# Altium PCB CNC_controller.PcbDoc (part 1 of 2)
Units mil, origin at the board's own origin, x right, y up, seen from the top; angles counter-clockwise.
Board outline 3937.01 x 3425.2 mil, 2 copper layers (Top Layer, Bottom Layer); 117 components, 108 nets, 430 pads, 175 vias.
Unrouted connection lines stored in the file: 30.
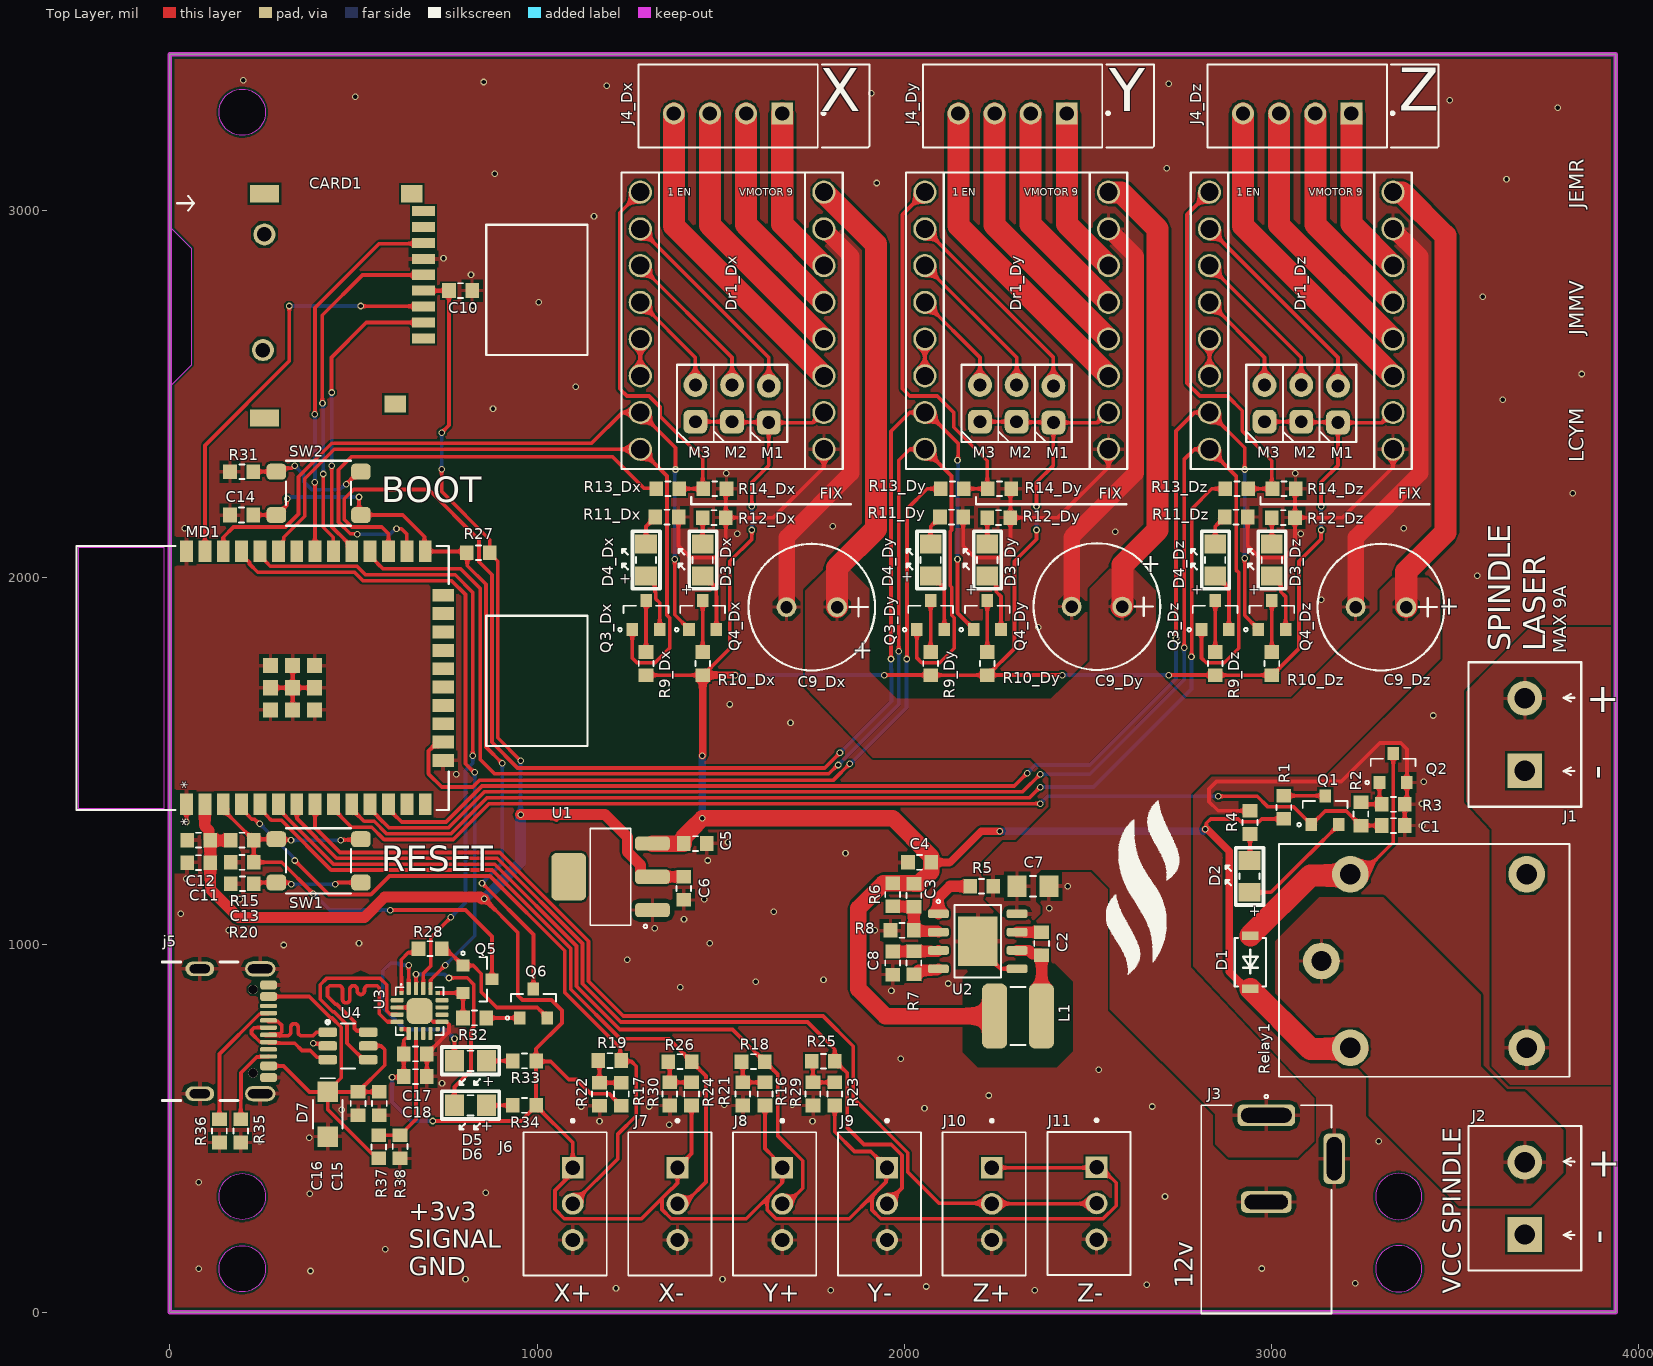
[diagram p0: Top Layer view]
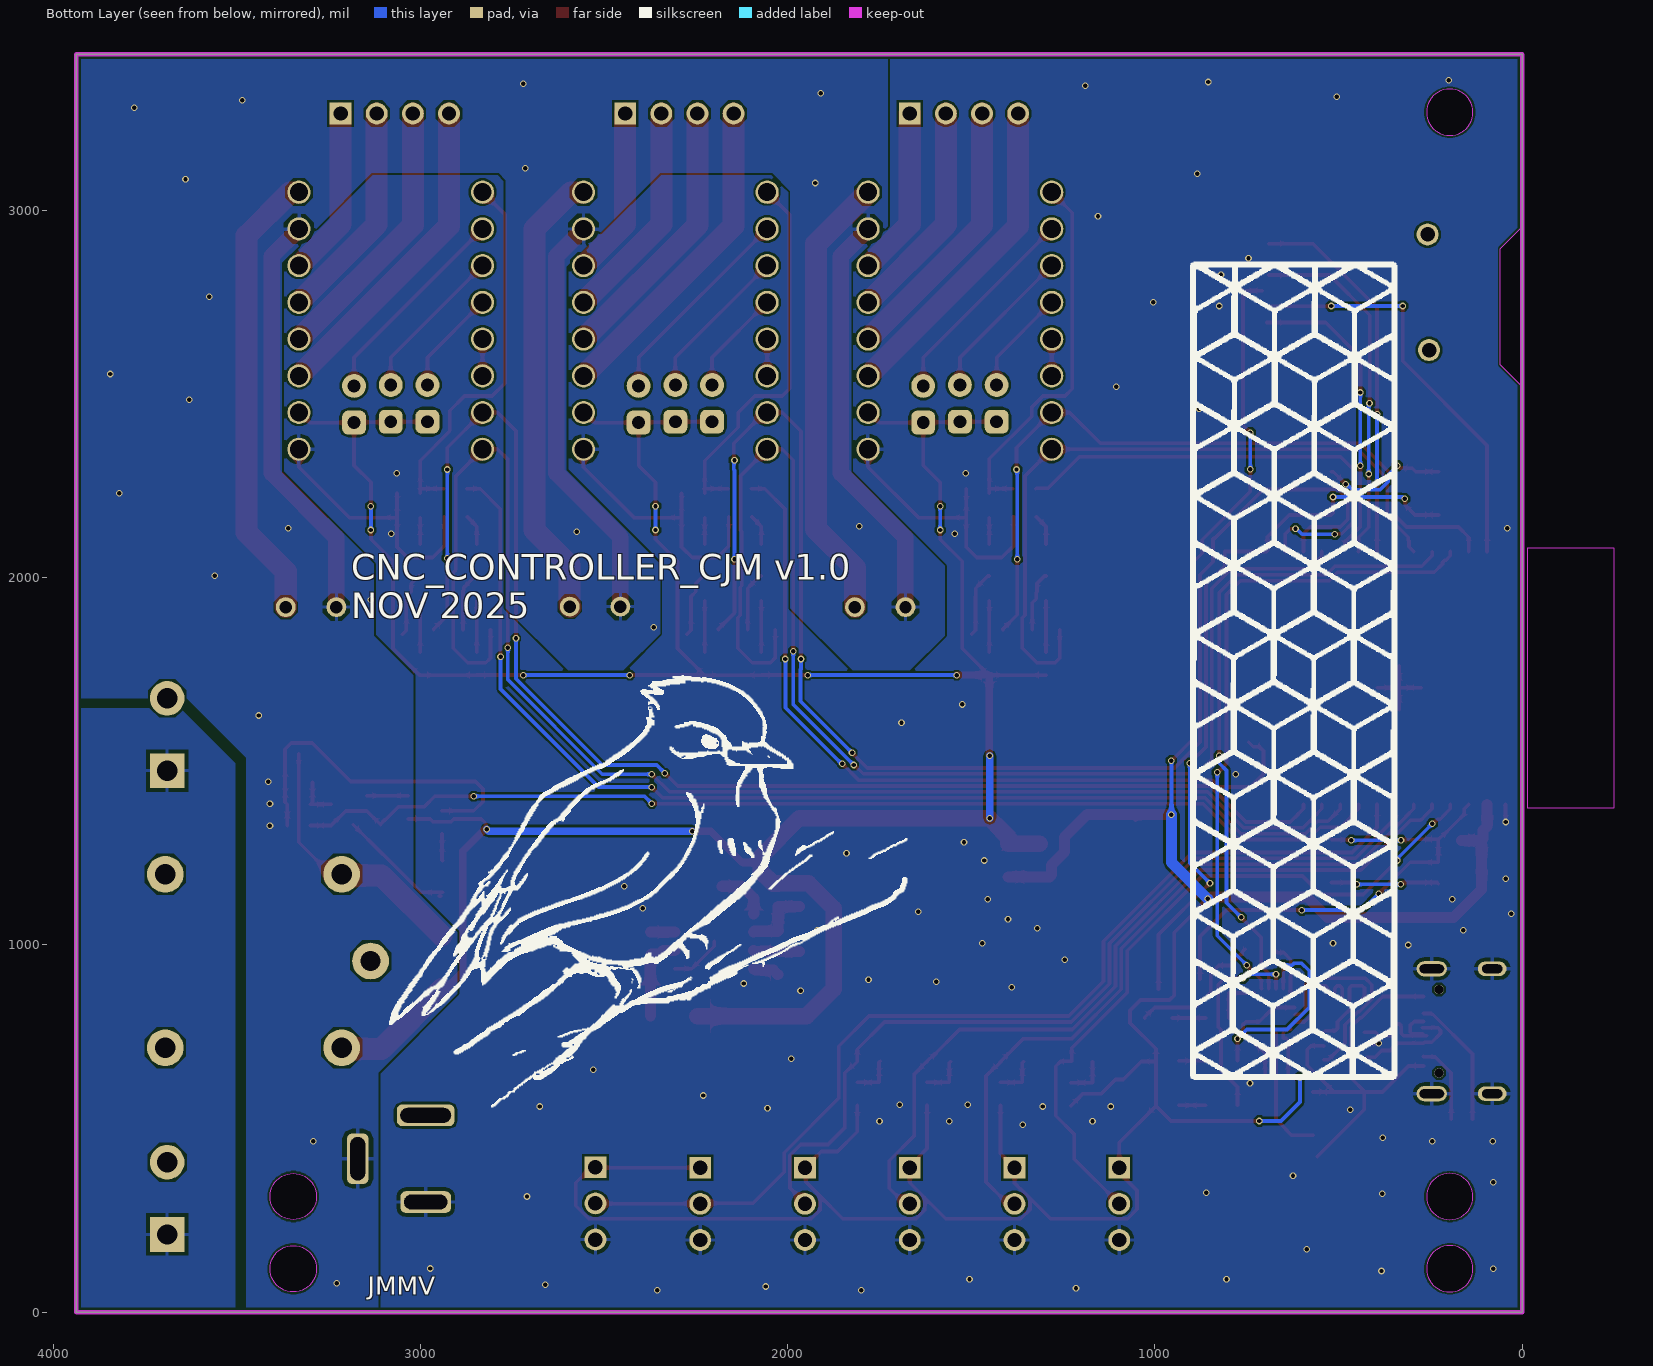
[diagram p1: Bottom Layer view, seen from below]

## Layer stack, top to bottom
Top Solder: solder mask 0.4, Solder Resist, Dk 3.5
Top Layer: signal copper 1.4
Dielectric 1: dielectric 12.6, FR-4, Dk 4.8
Bottom Layer: signal copper 1.4
Bottom Solder: solder mask 0.4, Solder Resist, Dk 3.5

## Board outline
0,0 0,3425.2 3937.01,3425.2 3937.01,0
cut-out: 196.85,55.08 cw(c196.85,118.07) 133.86,118.07 cw(c196.85,118.07) 196.85,181.06 cw(c196.85,118.07) 259.84,118.07 cw(c196.85,118.07)
cut-out: 3283.47,314.96 ccw(c3346.46,314.96) 3346.46,251.97 ccw(c3346.46,314.96) 3409.45,314.96 ccw(c3346.46,314.96) 3346.46,377.95 ccw(c3346.46,314.96)
cut-out: 3283.46,118.07 ccw(c3346.46,118.07) 3346.46,55.08 ccw(c3346.46,118.07) 3409.45,118.07 ccw(c3346.46,118.07) 3346.46,181.06 ccw(c3346.46,118.07)
cut-out: 196.85,3204.69 cw(c196.85,3267.68) 133.86,3267.68 cw(c196.85,3267.68) 196.85,3330.67 cw(c196.85,3267.68) 259.84,3267.68 cw(c196.85,3267.68)
cut-out: 196.85,251.93 cw(c196.85,314.92) 133.86,314.92 cw(c196.85,314.92) 196.85,377.91 cw(c196.85,314.92) 259.84,314.92 cw(c196.85,314.92)
cut-out: 0,2524.04 4.04,2524.04 60,2580 60,2896.39 0,2956.39

## Design rules (kind name [scope] priority, off if disabled: settings)
Clearance [All] p1: gap=6 ignorepadtopadclearanceinfootprint=FALSE except(12: Via-Via; 14: THPad-Via)
Creepage Creepage_AC [InNet('LINEA')] p1: checkdistance=10 applytopolygonpour=TRUE
DiffPairsRouting [All] p1: maxlimit=10 minlimit=10 mostfreqgap=10 toplayer_minwidth=10 toplayer_maxwidth=15 toplayer_prefwidth=15 bottomlayer_minwidth=10 bottomlayer_maxwidth=15 bottomlayer_prefwidth=15 maxuncoupledlength=500
HoleSize [All] p1: absolutevalues=TRUE maxlimit=300 minlimit=12 maxpercent=80.000 minpercent=20.000
MinimumSolderMaskSliver [All] p1: minsoldermaskwidth=4
PolygonConnect PolygonConnect_via [IsVia] p1: connectstyle=Direct reliefconductorwidth=10 reliefentries=4 polygonreliefangle="90 Angle" airgapwidth=10
PolygonConnect [All] p2: connectstyle=Relief reliefconductorwidth=10 reliefentries=4 polygonreliefangle="90 Angle" airgapwidth=10
RoutingVias [All] p1: holewidth=12 width=18 viastyle="Through Hole" minholewidth=12 minwidth=18 maxholewidth=50 maxwidth=100
SilkToSilkClearance [All] p1: silktosilkclearance=1
SilkToSolderMaskClearance [IsPad] p1: minsilkscreentomaskgap=1 clearancetoexposedcopper=TRUE
SolderMaskExpansion [All] p1: expansion=4 istentingtop=FALSE
SupplyNets "Schematic Supply Nets_5" [InNet('VMOTOR_Dx')] p1: voltage=0.000
SupplyNets "Schematic Supply Nets_3" [InNet('GND_Spindle')] p2: voltage=0.000
SupplyNets "Schematic Supply Nets_1" [InNet('Vspindle')] p3: voltage=0.000
SupplyNets "Schematic Supply Nets_2" [InNet('VBUS')] p4: voltage=0.000
SupplyNets "Schematic Supply Nets_9" [InNet('+5')] p5: voltage=0.000
SupplyNets "Schematic Supply Nets_8" [InNet('3V3')] p6: voltage=0.000
SupplyNets "Schematic Supply Nets" [InNet('GND')] p7: voltage=0.000
Width Width_3V3 [InNetClass('3V3_POWER')] p1: maxlimit=60 minlimit=10 preferedwidth=60
Width [All] p2: maxlimit=60 minlimit=6 preferedwidth=6
25 further rules are at their usual default settings.

## Classes and differential pairs
component class Dz: C9_Dz C?_Dz D3_Dz D4_Dz D?_Dz Dr1_Dz J4_Dz J?_Dz Q3_Dz Q4_Dz Q?_Dz R9_Dz R10_Dz R11_Dz R12_Dz R13_Dz R14_Dz R?_Dz
component class Dy: C9_Dy C?_Dy D3_Dy D4_Dy D?_Dy Dr1_Dy J4_Dy J?_Dy Q3_Dy Q4_Dy Q?_Dy R9_Dy R10_Dy R11_Dy R12_Dy R13_Dy R14_Dy R?_Dy
component class POWER: C2 C3 C4 C5 C6 C7 C8 C? J3 J? L1 L? R5 R6 R7 R8 R? U1 U2 U?
component class MCU: ? C11 C12 C13 C14 C15 C16 C17 C18 C? D5 D6 D7 D? j5 j? MD1 MD? Q5 Q6 Q? R15 R16 R17 R18 R19 R20 R21 R22 R23 R24 R25 R26 R27 R28 R29 R30 R31 R32 R33 R34 R35 R36 R37 R38 R? SW1 SW2 SW? U3 U4 U?
channel class Driver: Dx Dy Dz
component class Spindle: ? C1 C? D1 D2 D14 D? J1 J2 J? Q1 Q2 Q? R1 R2 R3 R4 R? Relay1
component class MicroSD: C10 C? CARD1 CARD?
component class Dx: 18_DriverX 19_DriverX 20_DriverX C9_Dx C?_Dx D3_Dx D4_Dx D?_Dx Dr1_Dx J4_Dx J?_Dx Q3_Dx Q4_Dx Q?_Dx R9_Dx R10_Dx R11_Dx R12_Dx R13_Dx R14_Dx R?_Dx
component class Sensors: J6 J7 J8 J9 J10 J11 J?
differential pair D: +D_P -D_N
differential pair C_D: +C_D_P -C_D_N

## Components (designator, comment, footprint, x,y, rotation, side; value= is the part's Value field where it differs from the comment)
C1 "CAP CER 100nF 50V X7R 0603" 0603_cap 3331.5,1325.14 r0 top value=100nF
C2 "CAP CER 100nF 50V X7R 0603" 0603_cap 2373.83,1003.5 r90 top value=100nF
C3 "Cap_5.1pF" 0603_cap 2026.17,1135.71 r270 top value=5.1pF
C4 "22uF 10V" 0603_cap 2041.5,1225 r180 top value=22uF
C5 "10uF 10V" 0603_cap 1430.92,1276.29 r0 top value=10uF
C6 "22uF 10V" 0603_cap 1399.42,1154.24 r270 top value=22uF
C7 "10uF 25V" 0805_cap 2350.59,1159.89 r0 top value=10uF
C8 "470nF 50V" 0603_cap 1968.17,950.81 r270 top value=470nF
C9_Dx "Cap_100uF_Electr_TH_50V" CAP_TH 1747,1920 r180 top value=100uF (schematic designator C9)
C9_Dy "Cap_100uF_Electr_TH_50V" CAP_TH 2523.43,1921.43 r180 top value=100uF (schematic designator C9)
C9_Dz "Cap_100uF_Electr_TH_50V" CAP_TH 3297,1920 r180 top value=100uF (schematic designator C9)
C10 "CAP CER 100nF 50V X7R 0603" 0603_cap 791.55,2782.1 r0 top value=100nF
C11 "CAP CER 100nF 50V X7R 0603" 0603_cap 78.73,1224.15 r180 top value=100nF
C12 "10uF 10V" 0603_cap 78.73,1285.44 r180 top value=10uF
C13 "CAP CER 100nF 50V X7R 0603" 0603_cap 196.73,1225.04 r180 top value=100nF
C14 "CAP CER 100nF 50V X7R 0603" 0603_cap 195.27,2170.95 r180 top value=100nF
C15 "10uF 10V" 0603_cap 570.37,568.26 r270 top value=10uF
C16 "CAP CER 100nF 50V X7R 0603" 0603_cap 512.37,568.26 r270 top value=100nF
C17 "10uF 10V" 0603_cap 668.39,703.26 r0 top value=10uF
C18 "CAP CER 100nF 50V X7R 0603" 0603_cap 668.39,641.76 r0 top value=100nF
CARD1 "SMD" SD_CARD_PUSH_PCB 698.43,2998.35 r270 top locked
D1 "DIODE STANDARD 50V 1A SOD-123F" SOD-123FL_MCC 2942.37,952.97 r270 top
D2 "2.3V" 0805_LED 2940,1186.69 r90 top
D3_Dx "2V" 0805_LED 1451,2048.31 r90 top (schematic designator D3)
D3_Dy "2V" 0805_LED 2226,2048.31 r90 top (schematic designator D3)
D3_Dz "2V" 0805_LED 3001,2048.31 r90 top (schematic designator D3)
D4_Dx "2.3V" 0805_LED 1296.7,2048.31 r90 top (schematic designator D4)
D4_Dy "2.3V" 0805_LED 2071.7,2048.31 r90 top (schematic designator D4)
D4_Dz "2.3V" 0805_LED 2846.7,2048.31 r90 top (schematic designator D4)
D5 "2V" 0805_LED 818.71,684.26 r180 top
D6 "2.9V" 0805_LED 818.71,563.26 r180 top
D7 "TVS 12V" SOD_123FL 430,538.98 r270 top
Dr1_Dx "A4988 Driver Module" "A4988 Module" 1531.02,2700 r0 top (schematic designator Dr1)
Dr1_Dy "A4988 Driver Module" "A4988 Module" 2306.02,2700 r0 top (schematic designator Dr1)
Dr1_Dz "A4988 Driver Module" "A4988 Module" 3081.02,2700 r0 top (schematic designator Dr1)
J1 "Connector 2pos" CON_2x1_TH_5MM 3690,1573.16 r90 top
J2 "Connector 2pos" CON_2x1_TH_5MM 3690,310 r90 top
J3 "PWR JACK 2.1mm" CON_POWER_BARREL_2.1MM_3CONN 2985.84,417.97 r0 top
J4_Dx "CONN HEADER TH 4POS 2.5mm" JST_B4B-XH-A 1520,3285 r0 top (schematic designator J4)
J4_Dy "CONN HEADER TH 4POS 2.5mm" JST_B4B-XH-A 2295,3285 r0 top (schematic designator J4)
J4_Dz "CONN HEADER TH 4POS 2.5mm" JST_B4B-XH-A 3070,3285 r0 top (schematic designator J4)
j5 "USB C" CON_USB_C_16P_RA 175,765 r270 top locked
J6 "CONN HEADER TH 3POS 2.5mm" JST_B3B-XH-A 1076.34,295.01 r90 top
J7 "CONN HEADER TH 3POS 2.5mm" JST_B3B-XH-A 1361.65,295.01 r90 top
J8 "CONN HEADER TH 3POS 2.5mm" JST_B3B-XH-A 1646.97,295.01 r90 top
J9 "CONN HEADER TH 3POS 2.5mm" JST_B3B-XH-A 1932.28,295.01 r90 top
J10 "CONN HEADER TH 3POS 2.5mm" JST_B3B-XH-A 2217.6,295.01 r90 top
J11 "CONN HEADER TH 3POS 2.5mm" JST_B3B-XH-A 2502.91,296.19 r90 top
L1 "FIXED IND 3.3uH 2.6A 0.052Ω SMD,4x4mm" Inductor_3_3uH 2309.85,806.49 r180 top value=3.3uH
MD1 "ESP32-WROOM-32D" MOD_ESP32-WROOM-32_EXP 252.47,1727.27 r90 top locked
Q1 "N CH" SOT_23_3 3145.98,1364.93 r90 top
Q2 "N CH" SOT_23_3 3331.5,1479.76 r90 top
Q3_Dx "N CH" SOT_23_3 1296.7,1896.19 r90 top (schematic designator Q3)
Q3_Dy "N CH" SOT_23_3 2071.7,1896.19 r90 top (schematic designator Q3)
Q3_Dz "N CH" SOT_23_3 2846.7,1896.19 r90 top (schematic designator Q3)
Q4_Dx "N CH" SOT_23_3 1451,1896.19 r90 top (schematic designator Q4)
Q4_Dy "N CH" SOT_23_3 2226,1896.19 r90 top (schematic designator Q4)
Q4_Dz "N CH" SOT_23_3 3001,1896.19 r90 top (schematic designator Q4)
Q5 "TRANS NPN 40V 200mA SOT-23" SOT_23_3 835.63,906.61 r0 top
Q6 "TRANS NPN 40V 200mA SOT-23" SOT_23_3 990.07,838.54 r90 top
R1 "0R 1/10W" 0603_res#1 3033.69,1374.77 r270 top value=0R
R2 "330R 1/10W" 0603_res#1 3243.5,1356.64 r90 top value=330R
R3 "191k 1/10W" 0603_res#1 3331.5,1383 r0 top value=191k
R4 "1k 1/10W" 0603_res#1 2941.45,1333.69 r270 top value=1k
R5 "10k 1/10W" 0603_res#1 2210.94,1159.89 r180 top value=10k
R6 "365k 1/10W" 0603_res#1 1968.17,1136.7 r90 top value=365k
R7 "Res 105k" 0603_res#1 2026.17,951.66 r270 top value=105k
R8 "49k9 1/10W" 0603_res#1 1993.81,1039.66 r0 top value=49k9
R9_Dx "0R 1/10W" 0603_res#1 1296.7,1766.45 r270 top value=0R (schematic designator R9)
R9_Dy "0R 1/10W" 0603_res#1 2071.7,1766.45 r270 top value=0R (schematic designator R9)
R9_Dz "0R 1/10W" 0603_res#1 2846.7,1766.45 r270 top value=0R (schematic designator R9)
R10_Dx "0R 1/10W" 0603_res#1 1451,1766.45 r270 top value=0R (schematic designator R10)
R10_Dy "0R 1/10W" 0603_res#1 2226,1766.45 r270 top value=0R (schematic designator R10)
R10_Dz "0R 1/10W" 0603_res#1 3001,1766.45 r270 top value=0R (schematic designator R10)
R11_Dx "191R 1/10W" 0603_res#1 1353.8,2165.31 r180 top value=191R (schematic designator R11)
R11_Dy "191R 1/10W" 0603_res#1 2128.8,2165.31 r180 top value=191R (schematic designator R11)
R11_Dz "191R 1/10W" 0603_res#1 2903.8,2165.31 r180 top value=191R (schematic designator R11)
R12_Dx "191R 1/10W" 0603_res#1 1482.5,2163.81 r180 top value=191R (schematic designator R12)
R12_Dy "191R 1/10W" 0603_res#1 2257.5,2163.81 r180 top value=191R (schematic designator R12)
R12_Dz "191R 1/10W" 0603_res#1 3032.5,2163.81 r180 top value=191R (schematic designator R12)
R13_Dx "0R 1/10W" 0603_res#2 1355.6,2242.33 r0 top value=0R (schematic designator R13)
R13_Dy "0R 1/10W" 0603_res#1 2130.6,2242.33 r0 top value=0R (schematic designator R13)
R13_Dz "0R 1/10W" 0603_res#1 2905.6,2242.33 r0 top value=0R (schematic designator R13)
R14_Dx "0R 1/10W" 0603_res#2 1484.3,2242.33 r180 top value=0R (schematic designator R14)
R14_Dy "0R 1/10W" 0603_res#1 2259.3,2242.33 r180 top value=0R (schematic designator R14)
R14_Dz "0R 1/10W" 0603_res#1 3034.3,2242.33 r180 top value=0R (schematic designator R14)
R15 "10k 1/10W" 0603_res#1 196.73,1285.44 r180 top value=10k
R16 "0R 1/10W" 0603_res#1 1620.85,594.26 r90 top value=0R
R17 "0R 1/10W" 0603_res#1 1229.43,593.26 r90 top value=0R
R18 "10k 1/10W" 0603_res#1 1588.19,682.26 r0 top value=10k
R19 "10k 1/10W" 0603_res#1 1197.93,685.26 r0 top value=10k
R20 "1k 1/10W" 0603_res#1 196.73,1166.91 r0 top value=1k
R21 "0R 1/10W" 0603_res#1 1560.19,594.26 r90 top value=0R
R22 "0R 1/10W" 0603_res#1 1169.93,593.26 r90 top value=0R
R23 "0R 1/10W" 0603_res#1 1810.67,594.26 r90 top value=0R
R24 "0R 1/10W" 0603_res#1 1420.67,594.26 r90 top value=0R
R25 "10k 1/10W" 0603_res#1 1779.17,683.19 r0 top value=10k
R26 "10k 1/10W" 0603_res#1 1389.17,682.26 r0 top value=10k
R27 "10k 1/10W" 0603_res#1 839.78,2068 r0 top value=10k
R28 "10k 1/10W" 0603_res#1 708.5,990 r180 top value=10k
R29 "0R 1/10W" 0603_res#1 1751.17,594.26 r90 top value=0R
R30 "0R 1/10W" 0603_res#1 1361.17,594.26 r90 top value=0R
R31 "1k 1/10W" 0603_res#1 195.27,2288.75 r0 top value=1k
R32 "10k 1/10W" 0603_res#1 829.73,801.14 r180 top value=10k
R33 "100R 1/10W" 0603_res#1 965.71,684.26 r180 top value=100R
R34 "RES 30Ω ±5% 100mW 0603" 0603_res#1 965.71,563.26 r0 top value=30
R35 "RES 5.1kΩ ±1% 100mW 0603" 0603_res#1 193,493.5 r90 top value=5K1
R36 "RES 5.1kΩ ±1% 100mW 0603" 0603_res#1 135,493.5 r90 top value=5K1
R37 "191R 1/10W" 0603_res#1 568.82,450.26 r270 top value=191R
R38 "330R 1/10W" 0603_res#1 626.82,450.26 r90 top value=330R
Relay1 "V_15A" Relay_5V_15A 3415.47,956.22 r0 top
SW1 "Sw" Sw_PUSH_4.5x4.5x5mm 405,1229.06 r180 top locked
SW2 "Sw" Sw_PUSH_4.5x4.5x5mm 405,2230 r0 top locked
U1 "AMS1117-3.3" SOT_223 1200,1185.74 r180 top
U2 "TPS56528DDAR" SOIC_8_3.9mm_EP 2200,1010 r0 top
U3 "CP2102N-A02-GQFN20R" WFQFN_20_EP_3X3MM 680,820 r0 top
U4 "USBLC6-2SC6" SOT_23_6 485,725 r0 top

## Footprints (in the part's own frame and the unit in brackets; to place one, negate y for a bottom-side part, rotate by r counter-clockwise, add the part's x,y. Pads: shape width x height; smd on the part's side, far side on the other; paste and mask are expansions set on the pad)
0603_cap [mil]
  rect 37x40 smd: 1(-31.5,0) 2(31.5,0)
  silkscreen extent -6,-20 8,20, body extent -31,-17 31,17, height 34
0603_res#1 [mil] "1608 Metric / 20190225 / C-A.Serna.A"
  rect 37x40 smd: 1(-31.5,0) 2(31.5,0)
  silkscreen extent -7,-20 8,20, body extent -31,-16 32,16, height 12
0603_res#2 [mil] "1608 Metric / 20190225 / C-A.Serna.A"
  rect 37x40 smd: 1(-31.5,0)
  rect 37x40 smd mask+2: 2(31.5,0)
  silkscreen extent -6,-20 8,20, body extent -31,-16 32,16, height 12
0805_cap [mm]
  rect 1.3x1.5 smd: 1(-1.1,0) 2(1.1,0)
  silkscreen extent -0.2,-0.7 0.2,0.7, body extent -1.13,-0.7 1.07,0.7, height 1
0805_LED [mm]
  rect 1.3x1.5 smd: 1(-1.1,0) 2(1.1,0)
  silkscreen extent -1.98,-0.97 1.98,1.65, body extent -1,-0.62 1,0.63, height 1.1
"A4988 Module" [mm]
  round 1.6 hole 1.25 mask+0.076: 1(-6.35,8.89) 2(-6.35,6.35) 3(-6.35,3.81) 4(-6.35,1.27) 5(-6.35,-1.27) 6(-6.35,-3.81) 7(-6.35,-6.35) 8(-6.35,-8.89) 9(6.35,8.89) 10(6.35,6.35) 11(6.35,3.81) 12(6.35,1.27) 13(6.35,-1.27) 14(6.35,-3.81) 15(6.35,-6.35) 16(6.35,-8.89)
  rrect50% 1.651x1.651 hole 0.889: 17(2.54,-7.048) 19(0,-6.985) 21(-2.54,-6.985)
  round 1.651 hole 0.889: 18(2.54,-4.508) 20(0,-4.445) 22(-2.54,-4.445)
  silkscreen extent -7.65,-10.25 7.65,10.25, body extent -7.75,-10.16 7.49,10.16, height 13.37
CAP_TH [mil]
  round 54 hole 34 paste-99999 mask+0: 1(-70,0) 2(67.8,0)
  silkscreen extent -174,-172 171,172, body extent -169,-167 167,167, height 513
CON_2x1_TH_5MM [mm]
  rect 2.4x2.4 hole 1.4: 1(-2.5,0)
  round 2.4 hole 1.4: 2(2.5,0)
  silkscreen extent -5,-3.9 5,3.9, body extent -5,-3.75 5,3.75, height 11.5
CON_POWER_BARREL_2.1MM_3CONN [mm]
  rrect50% 4x1.5 hole 1.016 slot 3.5 at 0 deg: 1(0,3)
  rrect50% 3.5x1.5 hole 1.016 slot 3 at 0 deg: 2(0,-3)
  rrect50% 1.5x3.5 hole 1.016 slot 3 at 90 deg: 3(4.7,0)
  silkscreen extent -4.5,-10.7 4.5,4.42, body extent -4.5,-10.7 4.9,3.7, height 11
CON_USB_C_16P_RA [mm]
  oval 1.05x2.1 hole 0.6 slot 1.7 at 90 deg: 0(-4.32,1.803) 0(4.32,1.803)
  oval 1x2 hole 0.6 slot 1.4 at 90 deg: 0(-4.32,-2.377) 0(4.32,-2.377)
  rrect50% 0.6x1.15 smd mask+0.046: A1/B12(-3.2,2.378) A4/B9(-2.4,2.378) B1/A12(3.2,2.378) B4/A9(2.4,2.378)
  rrect50% 0.3x1.15 smd mask+0.046: A5(-1.25,2.378) A6(-0.25,2.378) A7(0.25,2.378) A8(1.25,2.378) B5(1.75,2.378) B6(0.75,2.378) B7(-0.75,2.378) B8(-1.75,2.378)
  round 0.65 hole 0.65 unplated mask+0.046: ""(-2.89,1.303) ""(2.89,1.303)
  silkscreen extent -4.79,-4.98 4.79,0.27, body extent -4.79,-4.98 4.79,2.73, height 3.31
Inductor_3_3uH [mm]
  rrect50% 1.75x4.5 smd: 1(-1.625,0) 2(1.625,0)
  silkscreen extent -0.51,-2 0.51,2, body extent -2.18,-2 2.18,2, height 3.2
JST_B3B-XH-A [mm]
  rect 1.508x1.508 / inner round 1.508 / far side rect 1.508x1.508 hole 1: 1(2.5,-0.525)
  round 1.508 hole 1: 2(0,-0.525) 3(-2.5,-0.525)
  silkscreen extent -4.95,-2.88 5.85,2.88, body extent -4.95,-2.88 4.95,2.88, height 7
JST_B4B-XH-A [mm]
  rect 1.508x1.508 / inner round 1.508 / far side rect 1.508x1.508 hole 1: 1(3.75,-0.525)
  round 1.508 hole 1: 2(1.25,-0.525) 3(-1.25,-0.525) 4(-3.75,-0.525)
  silkscreen extent -6.2,-2.88 6.7,2.88, body extent -6.2,-2.88 6.2,2.88, height 7
MOD_ESP32-WROOM-32_EXP [mil]
  rect 59x35 smd paste+0 mask+0: 1(-344.49,207.09) 2(-344.49,157.09) 3(-344.49,107.09) 4(-344.49,57.09) 5(-344.49,7.09) 6(-344.49,-42.91) 7(-344.49,-92.91) 8(-344.49,-142.91) 9(-344.49,-192.91) 10(-344.49,-242.91) 11(-344.49,-292.91) 12(-344.49,-342.91) 13(-344.49,-392.91) 14(-344.49,-442.91) 25(344.49,-442.91) 26(344.49,-392.91) 27(344.49,-342.91) 28(344.49,-292.91) 29(344.49,-242.91) 30(344.49,-192.91) 31(344.49,-142.91) 32(344.49,-92.91) 33(344.49,-42.91) 34(344.49,7.09) 35(344.49,57.09) 36(344.49,107.09) 37(344.49,157.09) 38(344.49,207.09)
  rect 35x59 smd paste+0 mask+0: 15(-225,-492.13) 16(-175,-492.13) 17(-125,-492.13) 18(-75,-492.13) 19(-25,-492.13) 20(25,-492.13) 21(75,-492.13) 22(125,-492.13) 23(175,-492.13) 24(225,-492.13)
  rect 41x41 smd paste+0 mask+0: 39(-26.77,-81.89) 40(-86.81,-21.85) 41(-86.81,-81.89) 42(-86.81,-141.93) 43(-26.77,-141.93) 44(33.27,-141.93) 45(33.27,-81.89) 46(33.27,-21.85) 47(-26.77,-21.85)
  Keep-Out Layer region: 354.5,502 -354.5,502 -354.5,268 354.5,268
  silkscreen extent -360,-507 360,507, body extent -354,-502 354,502, height 128
Relay_5V_15A [mm]
  round 2.54 hole 1.397: 1(-7.1,0) 2(-5.1,-6) 3(7.1,-6) 4(7.1,6) 5(-5.1,6)
  silkscreen extent -10.04,-8.01 10.07,8.1, body extent -10.1,-8 9.9,8, height 15.02
SD_CARD_PUSH_PCB [mm]
  rect 0.7x1.6 smd: 1(8.8,-0.2) 2(7.7,-0.2) 3(6.6,-0.2) 4(5.5,-0.2) 5(4.4,-0.2) 6(3.3,-0.2) 7(2.2,-0.2) 8(1.1,-0.2)
  rect 0.7x1.6 smd mask+0.051: CD(0,-0.2)
  rect 1.2x1.5 smd mask+0.051: NC(-1.2,-1)
  rect 1.2x2 smd: NC(-1.2,-11.2) NC(14.31,-11.2)
  round 1.524 hole 1: NC(1.61,-11.2) NC(9.61,-11.303)
  rect 1.2x1.5 smd: NC(13.335,-2.143)
  body extent -1.5,-15.22 14.61,-0.02, height 2
SOD-123FL_MCC [mil]
  rect 23x45 smd: 1(-72.5,0) 2(72.5,0)
  silkscreen extent -66,-43 66,43, body extent -76,-37 76,37, height 75
SOD_123FL [mm]
  rect 1.4x1.4 smd: 1(-1.55,0) 2(1.55,0)
  silkscreen extent -2.49,-1.02 1,1.02, body extent -1.96,-1 1.96,1, height 1.09
SOIC_8_3.9mm_EP [mm]
  rrect50% 1.45x0.6 smd: 1(-2.725,1.905) 2(-2.725,0.635) 3(-2.725,-0.635) 4(-2.725,-1.905) 5(2.725,-1.905) 6(2.725,-0.635) 7(2.725,0.635) 8(2.725,1.905)
  rect 2.71x3.4 smd: 9(0,0)
  silkscreen extent -2.85,-2.5 1.6,2.88, body extent -3,-2.45 3,2.45, height 1.7
SOT_23_3 [mm]
  rect 0.9x0.8 smd: 1(-0.95,0.95) 2(-0.95,-0.95) 3(1.05,0)
  silkscreen extent -1.07,-1.55 0.7,1.92, body extent -1.21,-1.5 1.21,1.5, height 1.12
SOT_23_6 [mm]
  rrect50% 1.3x0.65 smd: 1(-1.4,0.95) 3(-1.4,-0.95) 4(1.4,-0.95) 6(1.4,0.95)
  rrect50% 1.3x0.65 smd mask+0.051: 2(-1.4,0) 5(1.4,0)
  silkscreen extent -1.52,-1.55 0.5,1.78, body extent -1.5,-1.45 1.3,1.45, height 1.45
SOT_223 [mm]
  rrect50% 2.4x1 smd: 1(-2.9,2.3) 2(-2.9,0) 3(-2.9,-2.3)
  rrect30% 2.4x3.3 smd: 4(2.9,0)
  silkscreen extent -2.54,-3.35 1.4,3.55, body extent -1.86,-3.35 1.86,3.35, height 1.8
Sw_PUSH_4.5x4.5x5mm [mm]
  rrect50% 1.35x1.1 smd: 1(-2.925,1.5) 1(2.925,1.5) 2(-2.925,-1.5) 2(2.925,-1.5)
  silkscreen extent -2.25,-2.25 2.25,2.25, body extent -2.25,-2.25 2.25,2.25, height 5
WFQFN_20_EP_3X3MM [mm]
  rrect50% 0.3x0.3 smd mask+0.046: 1(-1.25,1.25) 6(-1.25,-1.25) 11(1.25,-1.25)
  rrect50% 0.9x0.3 smd mask+0.046: 2(-1.55,0.75) 3(-1.55,0.25) 4(-1.55,-0.25) 5(-1.55,-0.75) 12(1.55,-0.75) 13(1.55,-0.25) 14(1.55,0.25) 15(1.55,0.75)
  rrect50% 0.3x0.9 smd mask+0.046: 7(-0.75,-1.55) 8(-0.25,-1.55) 9(0.25,-1.55) 10(0.75,-1.55) 17(0.75,1.55) 18(0.25,1.55) 19(-0.25,1.55) 20(-0.75,1.55)
  rect 0.3x0.3 smd mask+0.046: 16(1.25,1.25)
  rrect50% 1.8x1.8 smd mask+0.046: 21(0,0)
  silkscreen extent -1.65,-1.65 1.65,1.9, body extent -1.5,-1.5 1.5,1.5, height 0.8

## Part data
C1 C2 C10 C11 C13 C14 C16 C18: library part Cap_100nF_0603_50V, "50V 100nF X7R ±10% 0603 Ceramic Capacitors RoHS", Manufacturer=FOJAN, Manufacturer Part Number=FCC0603B104K500CT, Supplier Part Number 1=C5137636, ComponentLink1Description=LCSC, ComponentLink1URL=https://www.lcsc.com/product-detail/C5137636.html, Supplier 1=LCSC
C3: "50V 5.1pF NP0 0603 Ceramic Capacitors RoHS", Manufacturer=YAGEO, Manufacturer Part Number=CC0603CRNPO9BN5R1, Supplier Part Number 1=C519376, ComponentLink1Description=LCSC, ComponentLink1URL=https://www.lcsc.com/product-detail/C519376.html?s_z=n_5.1pF%2520capacitor, Supplier 1=LCSC
C4 C6: library part Cap_22uF_0603_10V, "10V 22uF X5R ±20% 0603 Multilayer Ceramic Capacitors MLCC - SMD/SMT ROHS", Manufacturer=HRE, Manufacturer Part Number=CGA0603X5R226M100JT, Supplier Part Number 1=C6119863, ComponentLink1Description=LCSC, ComponentLink1URL=https://lcsc.com/product-detail/Multilayer-Ceramic-Capacitors-MLCC-SMD-SMT_HRE-CGA0603X5R226M100JT_C6119863.html, Supplier 1=LCSC
C5 C12 C15 C17: library part Cap_10uF_0603_10V, "10V 10uF X5R ±10% 0603 Multilayer Ceramic Capacitors MLCC - SMD/SMT ROHS", Manufacturer=CCTC, Manufacturer Part Number=TCC0603X5R106K100CT, Supplier Part Number 1=C380314, ComponentLink1Description=LCSC, ComponentLink1URL=https://www.lcsc.com/product-detail/Multilayer-Ceramic-Capacitors-MLCC-SMD-SMT_CCTC-TCC0603X5R106K100CT_C380314.html, Supplier 1=LCSC
C7: library part Cap_10uF_0805_25V_, "25V 10uF X5R ±10% 0805 Multilayer Ceramic Capacitors MLCC - SMD/SMT ROHS", Manufacturer="Samsung Electro-Mechanics", Manufacturer Part Number=CL21A106KAYNNNE, Supplier Part Number 1=C15850, ComponentLink1Description=LCSC, ComponentLink1URL=https://lcsc.com/product-detail/Multilayer-Ceramic-Capacitors-MLCC-SMD-SMT_Samsung-Electro-Mechanics-CL21A106KAYNNNE_C15850.html, Supplier 1=LCSC
C8: library part Cap_470nF_0603_50V, "50V 470nF X7R ±10% 0603 Multilayer Ceramic Capacitors MLCC - SMD/SMT ROHS", Manufacturer=Chinocera, Manufacturer Part Number=HGC0603R7474K500NTHJ, Supplier Part Number 1=C33546006, ComponentLink1Description=LCSC, ComponentLink1URL=https://lcsc.com/product-detail/Multilayer-Ceramic-Capacitors-MLCC-SMD-SMT_Chinocera-HGC0603R7474K500NTHJ_C33546006.html, Supplier 1=LCSC
CARD1: library part SD_CARD_PUSH, "Push-Push 2mm Connector and Ejector MicroSD Card (TF Card) SMD PC Card Sockets RoHS", Manufacturer=Yuandi, Manufacturer Part Number=TF-01A, Supplier Part Number 1=C2889258, ComponentLink1Description=LCSC, ComponentLink1URL=https://www.lcsc.com/product-detail/C2889258.html?s_z=n_TF-01A_C2889258, Supplier 1=LCSC
D1: library part "Diode 1N4001W", "25A Independent 50V 1.1V@1A 1A SOD-123F Single Diodes RoHS", Manufacturer=YONGYUTAI, Manufacturer Part Number=1N4001W, Supplier Part Number 1=C2944152, ComponentLink1Description=LCSC, ComponentLink1URL=https://www.lcsc.com/product-detail/C2944152.html, Supplier 1=LCSC
D2 D4_Dx D4_Dy D4_Dz: library part LED_0805_Orange, "LED ORANGE WATER CLEAR 0805 SMD", Manufacturer=XINGLIGHT, Manufacturer Part Number=XL-2012UOC, Supplier Part Number 1=C965813, ComponentLink1Description=LCSC, ComponentLink1URL=https://www.lcsc.com/product-detail/C965813.html?s_z=n_XINGLIGHT%2520XL-2012, Supplier 1=LCSC
D3_Dx D3_Dy D3_Dz D5: library part LED_0805_RED, "LED RED CLEAR 0805 SMD", Manufacturer=XINGLIGHT, Manufacturer Part Number=XL-2012SURC, Supplier Part Number 1=C965812, ComponentLink1Description=LCSC, ComponentLink1URL=https://www.lcsc.com/product-detail/Light-Emitting-Diodes-LED_XINGLIGHT-XL-2012SURC_C965812.html, Supplier 1=LCSC
D6: library part LED_0805_Green, "LED GREEN CLEAR 0805 SMD", Manufacturer=XINGLIGHT, Manufacturer Part Number=XL-2012UGC, Supplier Part Number 1=C965815, ComponentLink1Description=LCSC, ComponentLink1URL=https://www.lcsc.com/product-detail/Light-Emitting-Diodes-LED_XINGLIGHT-XL-2012UGC_C965815.html, Supplier 1=LCSC
D7: library part TVS_5V_1CH_BID_SOD_123FL, "21.7A 200W@10/1000us 9.2V 7V Bidirectional 5V SOD-123FL ESD and Surge Protection (TVS/ESD) ROHS", Manufacturer=TDSEMIC, Manufacturer Part Number=SMF5.0CA, Supplier Part Number 1=C46956338, ComponentLink1Description=LCSC, ComponentLink1URL=https://lcsc.com/product-detail/ESD-and-Surge-Protection-TVS-ESD_TDSEMIC-SMF5-0CA_C46956338.html, Supplier 1=LCSC
J1 J2: library part Con_2x1_TH_5mm, "2POS 5MM", Manufacturer=JILN, Manufacturer Part Number=JL126-50002G01, Supplier Part Number 1=C394556, ComponentLink1Description=Digi-Key, ComponentLink1URL=https://www.lcsc.com/product-detail/Screw-terminal_JILN-JL126-50002G01_C394556.html, Supplier 1=LCSC
J3: library part Con_Power_Jack_2.1mm_3pins, "CONN PWR JACK 2X5.5MM SOLDER", Manufacturer=HCTL, Manufacturer Part Number=HC-DC-005-2.0T, Supplier Part Number 1=C3010533, ComponentLink1Description=LCSC, ComponentLink1URL=https://www.lcsc.com/product-detail/AC-DC-Power-Connectors_HCTL-HC-DC-005-2-0T_C3010533.html, Supplier 1=LCSC
J4_Dx J4_Dy J4_Dz: library part "Connector JST 4pin", "4P XH 1x4P Tin -25℃~+85℃ White 2.5mm 250V 4 3A 1 Through Hole Through Hole,P=2.5mm Headers, Male Pins RoHS", Manufacturer=JST, Manufacturer Part Number=B4B-XH-A(LF)(SN), Supplier Part Number 1=C144395, ComponentLink1Description=LCSC, ComponentLink1URL=https://www.lcsc.com/product-detail/C144395.html?s_z=n_JST%2520b4b, Supplier 1=LCSC
j5: library part CON_USB_TYPEC_16P, "3A USB 3.1 1 Surface Mount 16P Female -40℃~+85℃ Type-C SMD USB Connectors ROHS", Manufacturer="SHOU HAN", Manufacturer Part Number=TYPE-C-3.1-16PIN, Supplier Part Number 1=C7507405, ComponentLink1Description=LCSC, ComponentLink1URL=https://lcsc.com/product-detail/USB-Connectors_SHOU-HAN-TYPE-C-3-1-16PIN_C7507405.html, Supplier 1=LCSC
J6 J7 J8 J9 J10 J11: library part "Connector JST 3pin", "3P 1x3P XH Tin -25℃~+85℃ White 2.5mm 250V 3 3A 1 Through Hole Through Hole,P=2.5mm Headers, Male Pins RoHS", Manufacturer=JST, Manufacturer Part Number=B3B-XH-A(LF)(SN), Supplier Part Number 1=C144394, ComponentLink1Description=LCSC, ComponentLink1URL=https://www.lcsc.com/product-detail/C144394.html?s_z=n_JST%2520b3, Supplier 1=LCSC
L1: library part Inductor_3.3uH, "2.6A 3.3uH Magnetic Shielded Inductor ±20% 3.6A 52mΩ SMD,4x4mm Fixed Inductors RoHS", Manufacturer=cjiang, Manufacturer Part Number=FNR4030S3R3MT, Supplier Part Number 1=C167870, ComponentLink1Description=LCSC, ComponentLink1URL=https://www.lcsc.com/product-detail/C167870.html?s_z=n_3.3uH%2520inductor, Supplier 1=LCSC
MD1: library part CMP-194065-000003-1, "WIFI MODULE 32MBITS SPI FLASH", Manufacturer=ESPRESSIF, Manufacturer Part Number=ESP32-WROOM-32-N4, Supplier Part Number 1=C82899, ComponentLink2Description=Datasheet, ComponentLink2URL=https://www.espressif.com/sites/default/files/documentation/esp32-wroom-32d_esp32-wroom-32u_datasheet_en.pdf, ComponentLink3Description=LCSC, ComponentLink3URL=https://www.lcsc.com/product-detail/C82899.html?s_z=n_ESP32%2520WROOM%2520N4, Supplier 1=LCSC
Q1 Q3_Dx Q3_Dy Q3_Dz Q4_Dx Q4_Dy Q4_Dz: library part Q_NFET_50V_200mA_SOT23, "MOSFET N-CH 50V 200mA SOT-23", Manufacturer=onsemi, Manufacturer Part Number=BSS138LT1G, Supplier Part Number 1=C82045, ComponentLink1Description=LCSC, ComponentLink1URL=https://www.lcsc.com/product-detail/C82045.html, Supplier 1=LCSC
Q2: library part Q_NFET_20V_3.2A_SOT23, "MOSFET N-CH 20V SOT23", Manufacturer=Doeshare, Manufacturer Part Number=DN2302S, Supplier Part Number 1=C2931750, ComponentLink1Description=LCSC, ComponentLink1URL=https://www.lcsc.com/product-detail/MOSFETs_Doeshare-DN2302S_C2931750.html, Supplier 1=LCSC
Q5 Q6: library part BJT_N_MMBT3904-7-F, "40V 310mW 200mA NPN SOT-23 Single Bipolar Transistors RoHS", Manufacturer=DIODES, Manufacturer Part Number=MMBT3904-7-F, Supplier Part Number 1=C94514, ComponentLink1Description=LCSC, ComponentLink1URL=https://www.lcsc.com/product-detail/C94514.html?s_z=n_MMBT3904-7-F, Supplier 1=LCSC
R1 R9_Dx R9_Dy R9_Dz R10_Dx R10_Dy R10_Dz R13_Dx R13_Dy R13_Dz R14_Dx R14_Dy R14_Dz R16 R17 R21 R22 R23 R24 R29 R30: library part Res_0R_0603_1/10W, "RES SMD 0R OHM 5% 1/10W 0603", Manufacturer=FOJAN, Manufacturer Part Number="FRC0603P000 TS", Supplier Part Number 1=C2907080, ComponentLink1Description=LCSC, ComponentLink1URL=https://www.lcsc.com/product-detail/Chip-Resistor-Surface-Mount_FOJAN-FRC0603P000-TS_C2907080.html, Supplier 1=LCSC
R2 R38: library part Res_330R_0603_1/10W, "RES SMD 330R OHM 5% 1/10W 0603", Manufacturer=FOJAN, Manufacturer Part Number="FRC0603J331 TS", Supplier Part Number 1=C2907152, ComponentLink1Description=LCSC, ComponentLink1URL=https://www.lcsc.com/product-detail/Chip-Resistor-Surface-Mount_FOJAN-FRC0603J331-TS_C2907152.html, Supplier 1=LCSC
R3: library part Res_191k_0603_1/10W, "100mW Thick Film Resistor 75V ±100ppm/℃ ±1% 191kΩ 0603 Chip Resistor - Surface Mount ROHS", Manufacturer=YAGEO, Manufacturer Part Number=AC0603FR-07191KL, Supplier Part Number 1=C227635, ComponentLink1Description=LCSC, ComponentLink1URL=https://lcsc.com/product-detail/Chip-Resistor-Surface-Mount_YAGEO-AC0603FR-07191KL_C227635.html, Supplier 1=LCSC
R4 R20 R31: library part Res_1k_0603_1/10W, "RES SMD 1k OHM 5% 1/10W 0603", Manufacturer=FOJAN, Manufacturer Part Number="FRC0603J102 TS", Supplier Part Number 1=C2907113, ComponentLink1Description=LCSC, ComponentLink1URL=https://www.lcsc.com/product-detail/Chip-Resistor-Surface-Mount_FOJAN-FRC0603J102-TS_C2907113.html, Supplier 1=LCSC
R5 R15 R18 R19 R25 R26 R27 R28 R32: library part Res_10k_0603_1/10W, "RES SMD 10k OHM 5% 1/10W 0603", Manufacturer=FOJAN, Manufacturer Part Number=FRC0603J103TS, Supplier Part Number 1=C2930027, ComponentLink1Description=LCSC, ComponentLink1URL=https://www.lcsc.com/product-detail/Chip-Resistor-Surface-Mount_FOJAN-FRC0603J103TS_C2930027.html, Supplier 1=LCSC
R6: library part Res_365k_0603_1/10W, "100mW Thick Film Resistor 75V ±100ppm/℃ ±1% 365kΩ 0603 Chip Resistor - Surface Mount ROHS", Manufacturer=YAGEO, Manufacturer Part Number=RC0603FR-07365KL, Supplier Part Number 1=C185336, ComponentLink1Description=LCSC, ComponentLink1URL=https://lcsc.com/product-detail/Chip-Resistor-Surface-Mount_YAGEO-RC0603FR-07365KL_C185336.html, Supplier 1=LCSC
R7: "100mW 105kΩ 75V ±25ppm/℃ Thin Film Resistor ±0.5% 0603 Chip Resistor - Surface Mount RoHS", Manufacturer=YAGEO, Manufacturer Part Number=RT0603DRD07105KL, Supplier Part Number 1=C862523, ComponentLink1Description=LCSC, ComponentLink1URL=https://www.lcsc.com/product-detail/C862523.html, Supplier 1=LCSC
R8: library part Res_49k9_0603_1/10W, "100mW Thick Film Resistor 75V ±100ppm/℃ ±1% 49.9kΩ 0603 Chip Resistor - Surface Mount ROHS", Manufacturer=YAGEO, Manufacturer Part Number=RC0603FR-0749K9L, Supplier Part Number 1=C114624, ComponentLink1Description=LCSC, ComponentLink1URL=https://lcsc.com/product-detail/Chip-Resistor-Surface-Mount_YAGEO-RC0603FR-0749K9L_C114624.html, Supplier 1=LCSC
R11_Dx R11_Dy R11_Dz R12_Dx R12_Dy R12_Dz R37: library part Res_191R_0603_1/10W, "100mW Thick Film Resistor 75V ±100ppm/℃ ±1% 191Ω 0603 Chip Resistor - Surface Mount ROHS", Manufacturer=FOJAN, Manufacturer Part Number=FRC0603F1910TS, Supplier Part Number 1=C3000718, ComponentLink1Description=LCSC, ComponentLink1URL=https://lcsc.com/product-detail/Chip-Resistor-Surface-Mount_FOJAN-FRC0603F1910TS_C3000718.html, Supplier 1=LCSC
R33: library part Res_100R_0603_1/10W, "RES SMD 100R OHM 5% 1/10W 0603", Manufacturer=FOJAN, Manufacturer Part Number="FRC0603J101 TS", Supplier Part Number 1=C2907089, ComponentLink1Description=LCSC, ComponentLink1URL=https://www.lcsc.com/product-detail/Chip-Resistor-Surface-Mount_FOJAN-FRC0603J101-TS_C2907089.html, Supplier 1=LCSC
R34: library part Res_30_0603_1/10W, "100mW 30Ω 75V ±100ppm/℃ Thick Film Resistor ±5% 0603 Chip Resistor - Surface Mount RoHS", Manufacturer=FOJAN, Manufacturer Part Number="FRC0603J300 TS", Supplier Part Number 1=C2907150, ComponentLink1Description=LCSC, ComponentLink1URL=https://www.lcsc.com/product-detail/Chip-Resistor-Surface-Mount_FOJAN-FRC0603J102-TS_C2907113.html, Supplier 1=LCSC
R35 R36: library part "Res 5K1", "100mW 5.1kΩ 75V ±100ppm/℃ Thick Film Resistor ±1% 0603 Chip Resistor - Surface Mount RoHS", Manufacturer=FOJAN, Manufacturer Part Number=FRC0603F5101TS, Supplier Part Number 1=C2907044, ComponentLink1Description=LCSC, ComponentLink1URL=https://www.lcsc.com/product-detail/C2907044.html?s_z=n_5.1k%2520resistor, Supplier 1=LCSC
Relay1: library part Relay_5V_15A, "250V@AC 5V 15A 1 Form C: 1C (SPDT-CO) Plugin,15.6x19.2mm Power Relays ROHS", Manufacturer="Ningbo Songle Relay", Manufacturer Part Number=SRD-05VDC-SL-C, Supplier Part Number 1=C35449, ComponentLink1Description=LCSC, ComponentLink1URL=https://lcsc.com/product-detail/Power-Relays_Ningbo-Songle-Relay-SRD-05VDC-SL-C_C35449.html, Supplier 1=LCSC
SW1 SW2: library part Sw_PUSH_4.5x4.5x5.0xmm, "SWITCH TACTILE SPST-NO 0.05A 12V", Manufacturer=BZCN, Manufacturer Part Number=TSC015A05026A, Supplier Part Number 1=C2888509, ComponentLink1Description=LCSC, ComponentLink1URL=https://www.lcsc.com/product-detail/Tactile-Switches_BZCN-TSC015A05026A_C2888509.html, Last modified by=N-A.Potosi, Last modified date=20190222, Supplier 1=LCSC
U1: library part LDO_3V3_1A_FIXED, "1A 60dB@(120Hz) Fixed 3.3V Positive 18V SOT-223 Linear Voltage Regulators (LDO) ROHS", Manufacturer="UMW(Youtai Semiconductor Co., Ltd.)", Supplier Part Number 1=C347222, ComponentLink1Description=LCSC, ComponentLink1URL=https://www.lcsc.com/product-detail/_UMW-Youtai-Semiconductor-Co-Ltd-_C347222.html, Manufacturer Part Number=AMS1117-3.3, Supplier 1=LCSC
U2: library part DCDC_SW_BUCK_5A_SOIC8, "IC REG BUCK ADJ 5A 8SOPWR", Manufacturer="Texas Instruments", Supplier Part Number 1=C138716, ComponentLink1Description=LCSC, ComponentLink1URL=https://lcsc.com/product-detail/DC-DC-Converters_Texas-Instruments-TPS56528DDAR_C138716.html, Manufacturer Part Number=TPS56528DDAR, Supplier 1=LCSC
U3: library part IC_SGL_USB2UART-BRIDGE_20QFN, "IC USB TO UART BRIDGE QFN20", Manufacturer="Silicon Labs", Supplier Part Number 1=C969913, ComponentLink1Description=LCSC, ComponentLink1URL=https://www.lcsc.com/product-detail/USB-ICs_SILICON-LABS-CP2102N-A02-GQFN20R_C969913.html, Manufacturer Part Number=CP2102N-A02-GQFN20R, Supplier 1=LCSC
U4: library part TVS_5.25V_2CH_SOT_23_6, "TVS DIODE 5.25V 17V SOT23-6", Manufacturer=STMicroelectronics, Supplier Part Number 1=C7519, ComponentLink1Description=LCSC, ComponentLink1URL=https://www.lcsc.com/product-detail/ESD-Protection-Devices_STMicroelectronics-USBLC6-2SC6_C7519.html, Manufacturer Part Number=USBLC6-2SC6, Supplier 1=LCSC
C9_Dx C9_Dy C9_Dz: ComponentLink1Description=LCSC, Supplier 1=LCSC

## Via types
v1: diameter 18, hole 12, Top Layer to Bottom Layer, 175 vias

## Nets (pads, with @x,y where several pads share a name; then routed paths per layer and width w, separated by ;. In a path a pad name is that pad's centre, name@x,y a point inside that pad or via, vN(x,y) a via of type N, cw(c..) or ccw(c..) an arc to the next point about the centre after c; other vN are vias at no path point)
3V3: C6.1 C10.1 C11.1 C12.1 C17.1 C18.1 CARD1.4 J6.1 J7.1 J8.1 J9.1 J10.1 J11.1 MD1.2 R15.2 R16.1 R17.1 R23.1 R24.1 R27.2 R33.1 R34.2 U1.2 U3.6 U3.7 | length 8617.1
  Top Layer w10: v1(605,640) 635.13,640 C18.1@636.89,641.76 C17.1@636.89,703.26 636.89,740.4 642.75,746.26 649.57,746.26 650.47,747.17 U3.7@650.47,758.98 ; U3.6@630.79,770.79 649.57,770.79 U3.7@650.47,769.88 ; CARD1.4@708.27,2781.81 C10.1@751.39,2781.81 ; v1(715.37,520.62) 956.06,520.62 R34.2@997.21,561.76 ; v1(740,2295) 740,2235 871.28,2103.72 871.28,2066.5 893,2044.78 893,1564 v1(955,1502) ; v1(740,2395) 760.05,2415.05 C10.1@760.05,2782.1 ; v1(856,1125.76) 947.65,1034.11 947.65,862.35 960,850 1039.1,850 1067.65,821.45 1067.65,787.65 997.21,717.21 R33.1@997.21,684.26 R33.1@997.21,682.76 ; 1037.84,1355 1052.84,1340 ; J6.1@1097.01,393.43 1097.01,461.96 R34.2@997.21,561.76 ; J6.1@1109.65,392.26 1048.58,331.18 1048.58,280 1074.26,254.32 1284.1,254.32 1341.64,311.86 ; R17.1@1229.43,561.76 1195.93,595.26 1145.38,595.26 1107.14,633.5 1086.5,633.5 1037.24,682.76 R33.1@997.21,682.76 ; 1340,308.81 1340,279.79 1365.47,254.32 1569.41,254.32 1626.95,311.86 ; 1342.34,312.57 1365.47,335.69 1366.51,335.69 1382.32,351.5 J7.1@1382.32,393.43 1420.67,431.78 R24.1@1420.67,562.76 ; R16.1@1620.85,562.76 1620.85,445.51 1642.95,423.41 1642.95,418.12 J8.1@1667.64,393.43 1667.64,352.55 1626.95,311.86 ; R23.1@1810.67,562.76 1810.67,491.19 1864.1,437.76 1908.62,437.76 J9.1@1952.95,393.43 1950.42,390.91 1950.42,354.61 1912.27,316.45 ; J10.1@2238.27,393.43 2522.4,393.43 J11.1@2523.58,394.61 ; J11.1@2536.23,393.44 2576.91,352.75 2576.91,290 2541.24,254.32 1936.1,254.32 1912.27,278.16 1912.27,316.45 ; R34.2@997.21,561.76 R33.1@997.21,682.76 ; 1626.95,311.86 1626.95,278.16 1650.78,254.32 1850.14,254.32 1912.27,316.45
  Top Layer w30: MD1.2@95.38,1382.78 95.38,1322.61 106.73,1311.26 106.73,1290.44 C12.1@112.91,1284.26 ; C12.1@110.23,1285.44 C11.1@110.23,1224.15 110.23,1151.24 186.47,1075 530,1075 585,1130 846.23,1130 850.47,1125.76 v1(856,1125.76) ; C12.1@122.88,1284.26 R15.2@165.23,1284.26 ; v1(955,1355) 1037.84,1355 1185,1355 1245.93,1294.07 1245.93,1253.67 1264,1235.61 1264.36,1235.61 1281.93,1218.03 1281.93,1190.42 1286.61,1185.74 U1.2@1314.17,1185.74 C6.1@1399.42,1185.74
  Bottom Layer w10: v1(605,640) 605,572.17 656.55,520.62 v1(715.37,520.62) ; v1(740,2295) v1(740,2395) ; v1(955,1355) v1(955,1502)
  Bottom Layer w30: v1(856,1125.76) 955,1224.76 v1(955,1355)
+5: C3.1 C4.1 C5.1 D1.2 Dr1_Dx.15 Dr1_Dx.17 Dr1_Dx.19 Dr1_Dx.21 Dr1_Dy.15 Dr1_Dy.17 Dr1_Dy.19 Dr1_Dy.21 Dr1_Dz.15 Dr1_Dz.17 Dr1_Dz.19 Dr1_Dz.21 L1.2 R1.2 R6.2 R9_Dx.2 R9_Dy.2 R9_Dz.2 R10_Dx.2 R10_Dy.2 R10_Dz.2 Relay1.2 U1.3 | length 9061.6
  Top Layer w10: R9_Dx.2@1296.7,1734.95 R10_Dx.2@1451,1734.95 1451.05,1735 1452.55,1735 1525,1807.45 1525,2045 1585,2105 v1(1585,2130) ; Dr1_Dx.21@1431.02,2425 Dr1_Dx.19@1531.02,2425 1532.27,2423.75 1629.77,2423.75 Dr1_Dx.17@1631.02,2422.5 ; v1(1585,2195) 1585,2260 1631.02,2306.02 Dr1_Dx.17@1631.02,2422.5 ; Dr1_Dx.15@1781.02,2450 1778.54,2450 1751.04,2422.5 Dr1_Dx.17@1631.02,2422.5 ; v1(1945,1735) 2071.65,1735 R9_Dy.2@2071.7,1734.95 R10_Dy.2@2226,1734.95 2226.05,1735 R10_Dy.2@2227.55,1735 ; Dr1_Dy.21@2206.02,2425 Dr1_Dy.19@2306.02,2425 2307.27,2423.75 2404.77,2423.75 Dr1_Dy.17@2406.02,2422.5 ; v1(2360,2130) 2360,2105 2300,2045 2300,1807.45 R10_Dy.2@2227.55,1735 ; v1(2360,2195) 2360,2260 2406.02,2306.02 Dr1_Dy.17@2406.02,2422.5 ; v1(2430,1735) R10_Dy.2@2227.55,1735 ; Dr1_Dy.15@2556.02,2450 2553.54,2450 2526.04,2422.5 Dr1_Dy.17@2406.02,2422.5 ; v1(2720,1735) 2846.65,1735 R9_Dz.2@2846.7,1734.95 R10_Dz.2@3001,1734.95 3001.05,1735 3002.55,1735 3075,1807.45 3075,2045 3135,2105 v1(3135,2130) ; v1@2822.61,1323.27 2822.61,1331.55 2834.33,1343.27 2909.32,1343.27 2916.9,1335.69 2966.01,1335.69 2973.58,1343.27 R1.2@3033.69,1343.27 ; Dr1_Dz.21@2981.02,2425 Dr1_Dz.19@3081.02,2425 3082.27,2423.75 3179.77,2423.75 Dr1_Dz.17@3181.02,2422.5 ; v1(3135,2195) 3135,2260 3181.02,2306.02 Dr1_Dz.17@3181.02,2422.5 ; Dr1_Dz.15@3331.02,2450 3328.54,2450 3301.04,2422.5 Dr1_Dz.17@3181.02,2422.5
  Top Layer w20: v1(1450,1515) 1451,1516 R10_Dx.2@1451,1734.95 ; R10_Dx.2@1452.55,1735 v1(1540,1735) ; C4.1@2073,1225 2125,1225 2210,1310 v1(2260,1310) ; v1(2820,1315) 2825,1315 2885,1255 2885,1240 ; 2885,1235 2885,926.84 2931.37,880.47 D1.2@2942.37,880.47
  Top Layer w45: U1.3@1314.17,1276.29 C5.1@1399.42,1276.29 ; C5.1@1396.07,1291.07 v1(1450,1345) 1968.81,1345 2073,1240.81 C4.1@2073,1225 2073,1199.37 2040.84,1167.21 C3.1@2026.17,1167.21 2025.18,1168.2 R6.2@1968.17,1168.2 1943.2,1168.2 1875,1100 1875,880 1948.51,806.49 L1.2@2245.87,806.49
  Top Layer w60: D1.2@2942.37,880.47 3106.09,716.75 Relay1.2@3233.53,716.75
  Bottom Layer w10: v1(1540,1735) v1(1945,1735) ; v1(1585,2130) v1(1585,2195) ; v1(2360,2130) v1(2360,2195) ; v1(2430,1735) v1(2720,1735) ; v1(3135,2130) v1(3135,2195)
  Bottom Layer w20: v1(1450,1345) v1(1450,1515) ; v1(2260,1310) 2815,1310 v1(2820,1315)
C_D_N: j5.A7 j5.B7 U4.1 | length 320.9
  Top Layer w10: j5.A7@260,752.69 268.6,752.69 314.22,752.69 319.22,752.69 ccw(c319.22,762.69) 329.22,762.69 329.22,775.78 cw(c339.22,775.78) 349.22,775.78 349.22,762.69 ccw(c359.22,762.69) 359.22,752.69 389.65,752.69 399.36,762.4 403.87,762.4 U4.1@429.95,762.4 ; j5.A7@268.6,755.16 271.38,757.94 299.14,757.94 305,763.8 305,780.82 294.07,791.75 j5.B7@268.6,791.75